# Altium PCB Supply_modulev2.0_pad_change.PcbDoc (part 1 of 2) (continued)
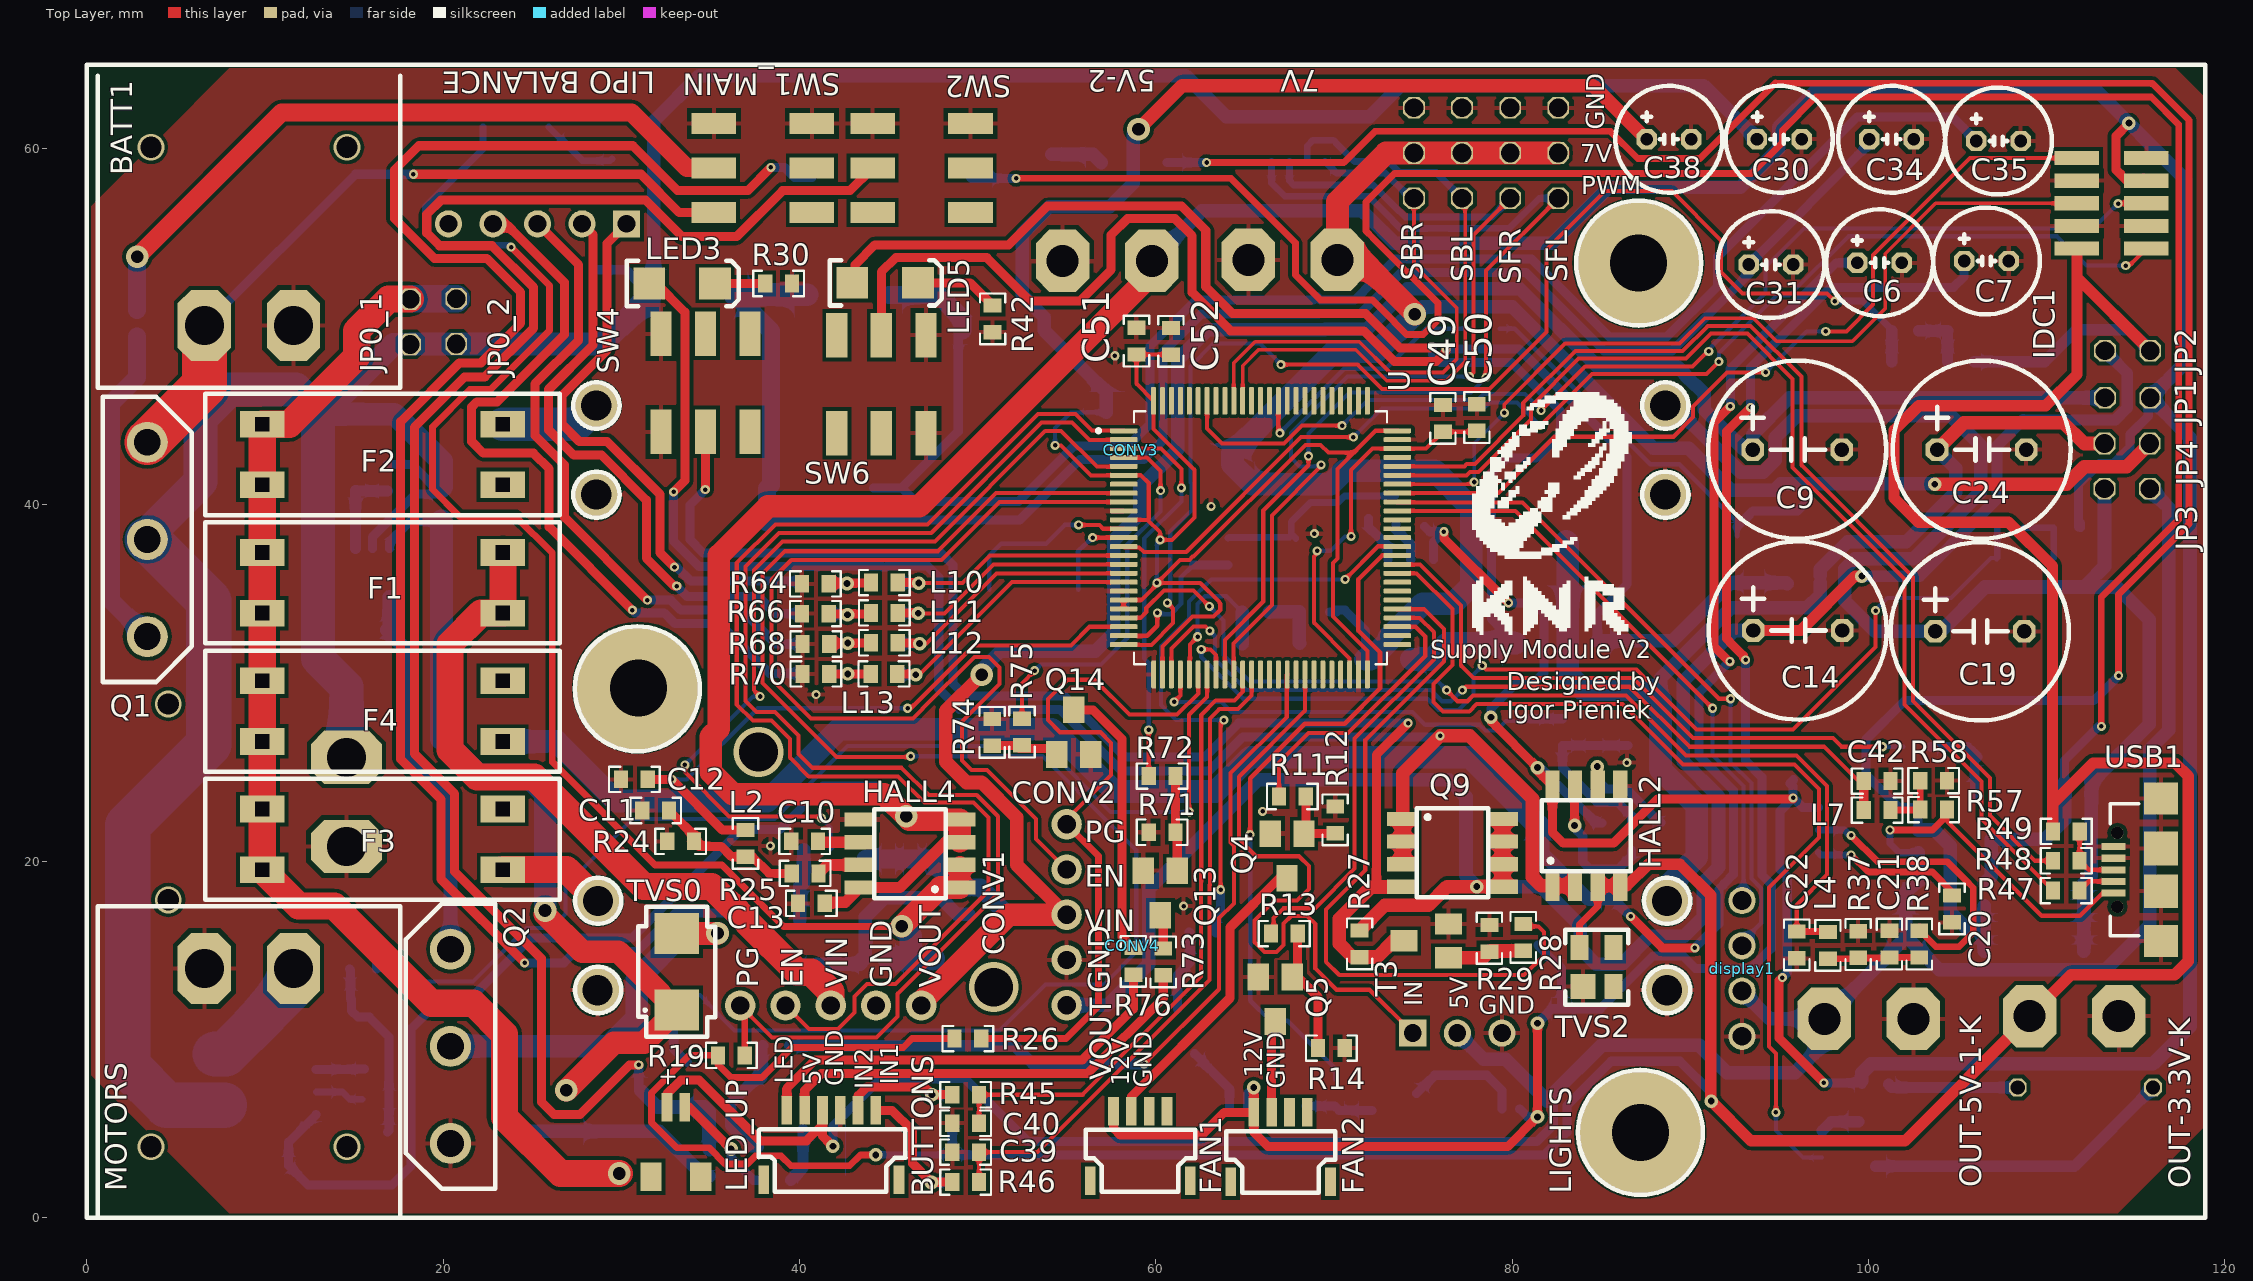
[diagram p0: Top Layer view]
## Components (designator, comment, footprint, x,y, rotation, side; value= is the part's Value field where it differs from the comment) (continued)

## Footprints (in the part's own frame and the unit in brackets; to place one, negate y for a bottom-side part, rotate by r counter-clockwise, add the part's x,y. Pads: shape width x height; smd on the part's side, far side on the other; paste and mask are expansions set on the pad)
2-pin-zielony-prosty [mm]
  oct 3x3.5 hole 1.8: 1(0,0) 2(5,0)
  body extent -2.67,-9.94 7.49,2.06, height 9.37
2.5mm [mil]
  oct 45x45 hole 28: 1(0,0) 2(98.43,0)
  silkscreen extent -69,-118 167,118, body extent -49,-98 148,98, height 433
5mm [mil]
  oct 50x50 hole 32: 1(0,0) 2(196.85,0)
  silkscreen extent -98,-197 295,197, body extent -98,-197 295,197, height 787
0603#1 [mm]
  rect 0.8x1 smd: 1(0,0) 2(1.5,0)
  silkscreen extent -0.68,-0.71 2.18,0.71, body extent -0.01,-0.43 1.59,0.43, height 0.83
0603#2 [mm]
  rect 1.27x1.143 smd: 1(0,0) 2(2.032,0)
  silkscreen extent -1.02,-0.89 3.05,0.89, body extent 0.22,-0.43 1.82,0.43, height 0.83
1206 [mil]
  rect 70x70 smd: 1(0,0) 2(145,0)
  silkscreen extent -50,-50 198,50, body extent 12,-30 138,33, height 43
"3557-2 KEYSTONE" [mm] "automotive fuse holder"
  rect 2.5x1.5 hole 0.8 square: 1(0,0) 1(0,3.4) 2(13.5,0) 2(13.5,3.4)
  silkscreen extent -3.2,-1.7 16.7,5.1, body extent -3.13,-1.58 16.68,5.15, height 7.94
629105136821 [mm] "Micro USB 2.0 SMT Type B Horizontal 5 Contacts"
  rect 0.4x1.35 smd: 1(-1.3,2.675) 2(-0.65,2.675) 3(0,2.675) 4(0.65,2.675) 5(1.3,2.675)
  round 0.7 hole 0.7 unplated: MH1(-2.075,2.45) MH2(2.075,2.45)
  rect 1.8x1.9 smd: Shell(-4,0) Shell(4,0)
  rect 1.9x1.9 smd: Shell(-1.2,0) Shell(1.2,0)
  silkscreen extent -3.7,1.25 3.7,2.85, body extent -4,-2.73 4,3.17, height 2.69
Buzzer_LOUDITY [mm]
  oct 1x1 hole 0.8: 1(-7.6,0) 2(0,0)
  silkscreen extent -9.8,-6 2.2,6, body extent -9.8,-6 5.65,6, height 9.65
CSTCC8M00G53-R0 [mm]
  rect 1.2x4.4 smd: 1(0,0) 2(2.5,0) 3(5,0)
  silkscreen extent -1.27,-2.54 6.35,2.67, body extent -1.06,-1.52 6.14,1.48, height 1.25
D24V10F3 [mm]
  round 1.7 hole 1.02: 1(0,0) 2(2.54,0) 3(5.08,0) 4(7.62,0) 5(10.16,0)
  body extent -1.3,-1.25 11.4,16.53, height 5.82
D24V22F5 [mm]
  round 1.7 hole 1.02: 1(0,0) 2(2.54,0) 3(5.08,0) 4(7.62,0) 5(10.16,0)
  body extent -1.27,-1.22 16.52,16.56, height 9.12
IDC_10_1.27 [mm]
  rect 0.8x2.5 smd: 1(0,0) 2(1.27,0) 3(2.54,0) 4(3.81,0) 5(5.08,0) 6(0,3.9) 7(1.27,3.9) 8(2.54,3.9) 9(3.81,3.9) 10(5.08,3.9)
  body extent -3.85,-0.84 8.75,4.84, height 5.65
"JST SR SH 1.0" [mm]
  rect 0.6x1.6 smd: 1(1.3,3.9) 2(2.3,3.9) 3(3.3,3.9) 4(4.3,3.9) 5(5.3,3.9) 6(6.3,3.9) 7(7.6,0) 8(0,0)
  silkscreen extent -0.28,-0.66 7.98,2.84, body extent -0.16,-0.66 7.84,4.29, height 2.9
"JST SR SH 1.0 - 2pin" [mm]
  rect 1.2x1.6 smd: 0(0,0) 0(2.8,0)
  rect 0.6x1.6 smd: 1(0.9,3.9) 2(1.9,3.9)
  body extent -0.59,-0.87 3.4,4.12, height 3
"JST SR SH 1.0 - 4PIN" [mm]
  rect 0.6x1.6 smd: 1(1.3,3.9) 2(2.3,3.9) 3(3.3,3.9) 4(4.3,3.9) 7(5.6,0) 8(0,0)
  silkscreen extent -0.25,-0.61 5.88,2.85, body extent -0.22,-0.75 5.77,4.2, height 2.96
"JST XH 3" [mil]
  rect 60x60 hole 39.37: 1(0,0)
  round 60 hole 39.37: 2(98.43,0) 3(196.85,0)
  body extent -95,-363 294,90, height 240
"JST XH 5" [mil]
  rect 60x60 hole 39.37: 1(0,0)
  round 60 hole 39.37: 2(98.43,0) 3(196.85,0) 4(295.28,0) 5(393.7,0)
  body extent -99,-289 491,11, height 238
QFP50P1600X1600X160-100N [mm]
  rrect50% 1.56x0.28 smd: 1(-7.68,6) 2(-7.68,5.5) 3(-7.68,5) 4(-7.68,4.5) 5(-7.68,4) 6(-7.68,3.5) 7(-7.68,3) 8(-7.68,2.5) 9(-7.68,2) 10(-7.68,1.5) 11(-7.68,1) 12(-7.68,0.5) 13(-7.68,0) 14(-7.68,-0.5) 15(-7.68,-1) 16(-7.68,-1.5) 17(-7.68,-2) 18(-7.68,-2.5) 19(-7.68,-3) 20(-7.68,-3.5) 21(-7.68,-4) 22(-7.68,-4.5) 23(-7.68,-5) 24(-7.68,-5.5) 25(-7.68,-6) 51(7.68,-6) 52(7.68,-5.5) 53(7.68,-5) 54(7.68,-4.5) 55(7.68,-4) 56(7.68,-3.5) 57(7.68,-3) 58(7.68,-2.5) 59(7.68,-2) 60(7.68,-1.5) 61(7.68,-1) 62(7.68,-0.5) 63(7.68,0) 64(7.68,0.5) 65(7.68,1) 66(7.68,1.5) 67(7.68,2) 68(7.68,2.5) 69(7.68,3) 70(7.68,3.5) 71(7.68,4) 72(7.68,4.5) 73(7.68,5) 74(7.68,5.5) 75(7.68,6)
  rrect50% 0.28x1.56 smd: 26(-6,-7.68) 27(-5.5,-7.68) 28(-5,-7.68) 29(-4.5,-7.68) 30(-4,-7.68) 31(-3.5,-7.68) 32(-3,-7.68) 33(-2.5,-7.68) 34(-2,-7.68) 35(-1.5,-7.68) 36(-1,-7.68) 37(-0.5,-7.68) 38(0,-7.68) 39(0.5,-7.68) 40(1,-7.68) 41(1.5,-7.68) 42(2,-7.68) 43(2.5,-7.68) 44(3,-7.68) 45(3.5,-7.68) 46(4,-7.68) 47(4.5,-7.68) 48(5,-7.68) 49(5.5,-7.68) 50(6,-7.68) 76(6,7.68) 77(5.5,7.68) 78(5,7.68) 79(4.5,7.68) 80(4,7.68) 81(3.5,7.68) 82(3,7.68) 83(2.5,7.68) 84(2,7.68) 85(1.5,7.68) 86(1,7.68) 87(0.5,7.68) 88(0,7.68) 89(-0.5,7.68) 90(-1,7.68) 91(-1.5,7.68) 92(-2,7.68) 93(-2.5,7.68) 94(-3,7.68) 95(-3.5,7.68) 96(-4,7.68) 97(-4.5,7.68) 98(-5,7.68) 99(-5.5,7.68) 100(-6,7.68)
  silkscreen extent -9.19,-7.1 7.1,7.1
R0603 [mm]
  rect 0.8x1 smd: 1(0,0) 2(1.5,0)
  silkscreen extent -0.68,-0.71 2.17,0.71, body extent -0.04,-0.43 1.56,0.43, height 0.48
Raster_2.54_2pin [mm]
  oct 1.22x1.22 hole 1.05: 1(0,0) 2(2.54,0)
  body extent -1.3,-1.27 3.78,1.27, height 8.54
Raster_2.54_3pin [mm]
  oct 1.22x1.22 hole 1.05: 1(0,0) 2(2.54,0) 3(5.08,0)
  body extent -1.27,-1.27 6.35,1.27, height 8.57
Slide_Switch [mm] "Ningi"
  rect 1.2x2.5 smd: 1(2.5,5.5) 1(2.5,0) 2(5,5.5) 2(5,0) 3(0,5.5) 3(0,0)
  body extent -2.05,-0.75 7,6.15, height 5.45
SO8#1 [mm]
  rect 0.8x1.75 smd: 1(0,0) 1(1.27,0) 2(2.54,0) 2(3.81,0) 3(0,5.6) 4(1.27,5.6) 5(2.54,5.6) 6(3.81,5.6)
  silkscreen extent -0.6,0.8 4.4,4.8, body extent -0.5,-0.09 4.4,5.69, height 1.45
SO8#2 [mm]
  rect 0.8x1.75 smd: 1(3.81,0) 2(0,5.6) 2(1.27,5.6) 2(2.54,5.6) 2(3.81,5.6) 3(0,0) 3(1.27,0) 3(2.54,0)
  silkscreen extent -0.6,0.8 4.4,4.8, body extent -0.5,-0.09 4.4,5.69, height 1.45
SOT23 [mm]
  rect 1.2x1.5 smd: 1(0,0) 2(1.9,0) 3(0.95,2.5)
  body extent -0.48,0.02 2.52,2.52, height 1.06
SOT25 [mm] "AP331A"
  rect 0.6x1.05 smd: 1(0,0) 2(0.95,0) 3(1.9,0) 4(1.9,2.7) 5(0,2.7)
  silkscreen extent -0.89,0.38 2.79,2.29, body extent -0.53,0.2 2.47,2.6, height 1.1
SOT223 [mm] "MIC5209-3.6YS"
  rect 1.1x1.6 smd: 1(0,0) 2(2.3,0) 3(4.6,0)
  rect 4x1.6 smd: 2(2.3,6.5)
  body extent -0.95,-0.23 5.55,6.73, height 1.7
SSD1306 [mil]
  round 60 hole 41.34: 1(0,0) 2(100,0) 3(200,0) 4(300,0)
  body extent -376,-1006 675,91, height 424
"TO252 (DPAK)" [mm]
  rect 1.5x2.8 smd: 1(0,0) 3(4.572,0)
  rect 6.3x6.1 smd: 2(2.286,6.27)
  body extent -0.94,-0.72 5.6,9.22, height 2.41
"TO263 (D2PAK)" [mm]
  rect 1.6x3.5 smd: 1(0,0) 3(5.08,0)
  rect 12.2x9.75 smd: 2(2.54,10.275)
  body extent -2.5,-0.77 7.5,14.9, height 4.83
TO-247-3 [mm]
  round 2.3 hole 1.5: 1(-5.45,0) 2(5.45,0) 3(0,0)
  silkscreen extent -8,-2.5 8,2.5, body extent -8.13,-3.1 8.13,2.2, height 29.16
"TVS 3.3V 82401" [mm]
  rect 1.4x1.4 smd: 1(0,0)
  rect 1x1.4 smd: 2(1.7,0) 3(1.7,2.2) 4(-0.2,2.2)
  silkscreen extent -1.02,-1.02 2.54,3.2, body extent -0.7,-0.11 2.22,2.29, height 1.06
"TVS DO-214AA" [mm]
  rect 2.3x2.5 smd: 1(0,0) 2(4.3,0)
  silkscreen extent -1.5,-2.16 5.8,2.16, body extent -0.46,-1.95 5.04,1.95, height 2.45
XL4015#1 [mm]
  round 2.5 hole 1.7: 0(0,0) 1(0,-5) 1(60,-5) 2(60,0)
  body extent -0.75,-15.66 60.95,10.54, height 21.57
XL4015#2 [mm]
  round 2.5 hole 1.7: 0(0,0) 1(-0.025,-5.004) 1(60,-5) 2(60,0)
  body extent -0.75,-15.66 60.95,10.54, height 21.57
XT30-katowy-in [mm]
  oct 3x4 hole 2.2: 1(-2.5,0) 2(2.5,0)
  silkscreen extent -8.5,-3.5 8.5,14, body extent -6.65,-0.81 6.65,13.14, height 5

## Part data
C1 C2 C4 C5 C8 C10 C11 C13 C15 C16 C18 C20 C21 C23 C25 C26 C28 C29 C32 C33 C36 C37 C39 C40 C49 C50 C51 C52: library part Cap
C6 C7 C9 C14 C19 C24 C30 C31 C34 C35 C38: library part Cap_pol
CONV3 CONV4: library part XL4015
HALL1 HALL2 HALL3 HALL4 HALL5: library part "Hall Sensor"
IC1 IC2 IC3: library part 7805T
IC4: library part "Switching regulator"
IDC1: library part IDC
LIGHTS: library part "3 PIN CONNECTOR"
Q1 Q2 Q4 Q5 Q6 Q7: library part N-MOSFET
R2 R3 R4 R5 R6 R7 R8 R9 R10 R11 R12 R13 R14 R15 R16 R17 R18 R19 R20 R21 R22 R24 R25 R26 R27 R28 R29 R31 R32 R33 R34 R35 R37 R38 R39 R40 R41 R43 R44 R45 R46 R47 R48 R49 R50 R51 R52 R53 R54 R55 R56 R57 R58 R59 R60 R61 R62 R63 R64 R65 R66 R67 R68 R69 R70: library part Res
T1 T2 T3 T4 T5 T6: library part "Transistor NPN"
U: "ARM® Cortex®-M7 STM32F7 Microcontroller IC 32-Bit 216MHz 512KB _512K x 8_ FLASH 100-LQFP _14x14_"
USB1: "Micro USB 2.0 Type B Receptacle WR-COM, Horizontal, SMT, with Pads and Pegs"

## Free pads (board coordinates)
  round 7 hole 3.2: 0(30.953,29.728) 1(87.091,53.577) 2(87.192,4.764)

## Via types
v1: diameter 0.508, hole 0.254, Top Layer to Bottom Layer, 98 vias
v2: diameter 0.762, hole 0.381, Top Layer to Bottom Layer, 25 vias
v3: diameter 1.27, hole 0.711, Top Layer to Bottom Layer, 6 vias
v4: diameter 1.5, hole 1.2, Top Layer to Bottom Layer, 6 vias
v5: diameter 1.27/1.27 (per signal layer), hole 0.711, Top Layer to Bottom Layer, 4 vias
v6: diameter 7, hole 3.2, Top Layer to Bottom Layer, 3 vias
v7: diameter 2.8, hole 2.18, Top Layer to Bottom Layer, 2 vias

## Nets (pads, with @x,y where several pads share a name; then routed paths per layer and width w, separated by ;. In a path a pad name is that pad's centre, name@x,y a point inside that pad or via, vN(x,y) a via of type N, cw(c..) or ccw(c..) an arc to the next point about the centre after c; other vN are vias at no path point)
+3.3V: HALL2.2 IDC1.5 JP2.2 OUT-3.3V-K.1 R19.1 R26.1 R49.1 R55.2 R77.2 R78.2 TVS2.4 | length 228.9
  Top Layer w0.381: v2(44.287,3.516) 43.426,3.516 42.815,2.905 39.525,2.905 38.967,3.464 37.532,3.464 37.074,3.007 35.831,3.007 34.916,3.921 33.11,3.921 31.69,5.342 31.69,6.984 33.809,9.103 R19.1@35.423,9.103 35.423,8.595 36.16,7.858 37.887,7.858 39.577,9.549 45.826,9.549 46.32,10.043 R26.1@48.708,10.043 ; TVS2.4@83.788,15.164 83.788,16.447 84.801,17.46 HALL2.2@84.801,18.628
  Top Layer w0.635: HALL2.2@84.801,18.628 HALL2.2@86.071,18.628 86.452,18.628 87.646,19.822 89.424,19.822 91.151,18.095 v2@91.151,6.538 ; v2(91.176,6.538) 93.412,4.302 102.052,4.302 OUT-3.3V-K.1@109.05,11.3 111.374,13.624 117.189,13.624 117.948,14.383 117.948,24.775 117.211,25.511 112.614,25.511 110.353,23.251 R49.1@110.353,21.676 ; R49.1@110.328,21.701 110.328,36.56 107.864,39.024 102.81,39.024 101.438,40.396 101.438,44.181 102.821,45.565 109.947,45.565 111.703,47.321 IDC1.5@111.703,54.387 ; 111.703,52.762 JP2.2@115.814,48.651
  Bottom Layer w0.381: v2(44.287,3.516) R77.2@48.579,3.516
  Bottom Layer w0.508: R78.2@48.579,5.393 R77.2@48.579,3.516 81.805,3.516 83.074,4.785 83.074,6.282 85.565,8.773 89.421,8.773 91.176,7.017 v2(91.176,6.538)
  Bottom Layer w0.635: R55.2@105.935,48.041 109.896,48.041 111.687,49.832 114.633,49.832 JP2.2@115.814,48.651
+5V/1: BUTTONS.3 display1.2 HALL3.2 JP3.2 LED_UP.1 LIGHTS.2 OUT-5V-1-K.1 R57.2 TVS3.1 USB1.1 | length 162.2
  Top Layer w0.254: R57.2@104.357,22.821 R57.2@104.361,22.817 ; R57.2@104.411,22.867 104.411,22.233 109.718,16.926 111.868,16.926 113.159,18.217 USB1.1@113.749,18.217
  Top Layer w0.381: v1(101.209,21.752) 103.597,21.752 104.361,22.517 R57.2@104.361,22.817 ; R57.2@104.411,22.867 R57.2@104.411,22.895
  Top Layer w0.508: LED_UP.1@32.564,6.196 32.564,6.942 33.353,7.731 34.357,7.731 37.786,4.302 40.392,4.302 41.243,5.154 ; BUTTONS.3@41.289,6.018 41.289,4.584 v2(41.875,3.998)
  Bottom Layer w0.381: v1(101.209,21.752) 101.209,20.99 101.717,20.482 HALL3.2@102.784,20.482
  Bottom Layer w0.508: v2(41.875,3.998) 41.875,5.125 44.533,7.782 47.806,7.782 47.828,7.76 47.869,7.801 49.29,7.801 52.812,4.278 81.399,4.278 82.312,5.191 82.312,6.726 82.286,6.752
  Bottom Layer w0.762: LIGHTS.2@76.925,10.35 78.401,8.874 79.645,8.874 81.982,6.538 82.159,6.538 ; 82.286,6.931 85.017,9.662 90.516,9.662 92.04,8.138 95.875,8.138 97.525,9.787 OUT-5V-1-K.1@97.525,11.15 ; display1.2@92.904,12.71 94.463,11.15 OUT-5V-1-K.1@97.525,11.15 ; TVS3.1@102.391,16.075 102.098,16.367 102.098,18.272 HALL3.2@102.886,19.06 ; HALL3.2@102.784,19.212 HALL3.2@102.784,20.482 ; JP3.2@115.789,40.904 116.856,39.837 116.856,27.35 115.789,26.283 115.789,16.393 113.306,13.91 103.972,13.91 TVS3.1@102.098,15.783 102.098,15.723 OUT-5V-1-K.1@97.525,11.15
+5V/2: 5V-2.1 C4.1 C13.1 C18.1 C23.1 C28.1 HALL1.3 HALL2.3 HALL3.3 HALL4.2 HALL4.3 HALL5.3 IDC1.7 JP1.2 R51.1 R59.2 TVS1.1 | length 341.9
  Top Layer w0: 114.163,58.354 114.163,58.559
  Top Layer w0.508: v1(76.165,38.491) 76.165,38.135 v1(79.797,34.503) ; v2(78.807,28.077) 78.807,28.026 78.934,27.899 78.857,27.823 v2(81.423,25.257) 81.423,25.066 HALL2.3@82.261,24.228 82.261,21.625 82.871,21.016 85.69,21.016 88.174,23.499 95.774,23.499 v1(95.774,23.556) ; v1(95.164,13.472) 94.986,13.294 94.986,10.068 v1(97.501,7.554) ; 114.143,58.559 114.163,58.559 ; v2(114.621,61.427) 113.896,60.702 113.896,58.806 114.505,58.197 IDC1.7@115.603,58.197 IDC1.7@115.446,58.354
  Top Layer w0.635: C13.1@41.418,17.637 41.85,17.637 41.9,17.688 42.563,17.688 HALL4.3@43.4,18.525 45.647,18.525 48.187,21.065 HALL4.2@49,21.065
  Top Layer w1.27: HALL4.2@49,21.122 HALL4.2@49,22.335 46.169,22.335 44.745,23.759 36.262,23.759 35.017,25.003 35.017,26.985 35.474,27.442 35.474,37.157 38.231,39.913 46.726,39.913 59.775,52.962 5V-2.1@59.775,53.7
  Bottom Layer w0.508: HALL1.3@12.875,5.775 11.325,4.225 C4.1@11.325,2.925 12.411,1.839 17.135,1.839 18.202,2.905 18.202,10.602 19.548,11.948 21.195,11.948 24.929,15.682 30.597,15.682 36.693,21.778 38.889,21.778 41.327,24.216 44.294,24.216 v5(45.993,22.517) ; C28.1@75.073,38.796 75.378,38.491 v1(76.165,38.491) 75.581,37.907 HALL5.3@75.581,36.928 ; v2(78.807,28.077) 78.807,28.559 80.153,29.906 81.118,29.906 81.778,30.566 81.778,33.919 81.194,34.503 v1(79.797,34.503) ; v2(81.423,25.257) 81.601,25.257 84.722,22.136 C18.1@85.05,22.136 ; v1(95.164,13.472) 95.444,13.751 95.444,19.136 95.037,19.542 95.037,22.819 v1(95.774,23.556) ; C23.1@95.799,24.572 95.596,24.368 95.774,24.191 v1(95.774,23.556) ; HALL3.3@97.184,23.022 96.307,23.022 v1(95.774,23.556) ; v1(97.501,7.554) 99.508,7.554 99.533,7.579 R51.1@99.635,7.477 R51.1@99.635,7.681 ; R59.2@111.801,38.77 111.801,41.158 112.969,42.326 113.764,42.326 114.671,43.232 114.671,43.951 115.704,44.984 115.704,45.899 JP1.2@115.814,46.009 ; R59.2@111.903,38.719 R59.2@111.903,38.975
  Bottom Layer w0.762: 5V-2.1@59.775,53.7 62.574,56.499 71.593,56.499 71.974,56.118 71.974,56.114 73.395,54.693 75.583,54.693 75.586,54.696 76.093,54.696 76.095,54.693 78.283,54.693 78.286,54.696 81.448,54.696 81.451,54.693 82.284,54.693 85.411,57.82 92.799,57.82 94.954,59.975 94.954,61.191 97.12,63.357 ; 97.12,63.408 112.639,63.408 117.821,58.227 117.821,48.016 JP1.2@115.814,46.009 118.05,43.774 118.05,10.703 115.967,8.62 100.143,8.62 99.635,8.112 R51.1@99.635,7.681
+7V: 7V.1 HALL5.2 JP4.2 R61.2 SBL.2 SBR.2 SFL.2 SFR.2 TVS4.1 | length 113.8
  Top Layer w0.762: v2(103.724,41.158) 111.131,41.158 112.122,42.149 114.494,42.149 JP4.2@115.789,43.444
  Top Layer w1.27: SBR.2@74.314,59.751 72.923,59.751 70.196,57.024 7V.1@70.196,53.756 71.517,53.756 74.539,50.734 v3(74.539,50.708) ; SBR.2@74.489,59.748 SBL.2@77.189,59.748 SFR.2@79.889,59.748 SFL.2@82.589,59.748
  Bottom Layer w0.508: R61.2@69.764,33.995 70.145,33.995 ; 70.155,34.09 70.609,34.09 71.771,32.928 HALL5.2@71.771,31.912
  Bottom Layer w0.762: v3(74.539,50.708) 74.946,51.115 80,51.115 87.925,43.19 89.905,43.19 92.28,40.814 94.719,40.814 95.08,41.175 103.707,41.175 v2(103.724,41.158)
  Bottom Layer w1.27: HALL5.2@71.771,31.328 72.05,31.328 73.073,32.35 73.073,32.55 74.975,34.452 76.679,34.452 77.714,35.488 77.714,39.862 77.435,40.142 77.393,40.142 76.724,40.811 76.724,40.853 75.657,41.92 70.568,41.92 69.806,41.158 65.421,41.158 TVS4.1@64.303,42.275 64.303,42.906 69.975,48.577 70.135,48.577 70.171,48.613 72.402,48.613 73.507,49.718 73.549,49.718 v3(74.539,50.708)
+12V: C7.1 C8.1 FAN1.1 FAN2.1 FAN3.1 FAN4.1 IC1.3 | length 105.7
  Top Layer w0.508: FAN1.1@57.628,5.967 57.628,5.009 58.004,4.633 62.576,4.633 63.844,5.9 FAN2.1@65.502,5.9 ; v2(65.497,7.3) 65.497,5.905 FAN2.1@65.502,5.9 ; v2(81.423,10.906) v2(81.423,5.649) 79.751,3.976 66.31,3.976 65.502,4.784 FAN2.1@65.502,5.9 ; v1(93.107,31.303) 92.98,31.43 92.98,31.538 92.191,32.326 92.191,32.343 92.04,32.495 92.04,44.13 v1(93.386,45.476)
  Bottom Layer w0.508: FAN4.1@65.137,5.967 65.137,6.939 v2(65.497,7.3) ; FAN3.1@80.428,6.094 80.873,5.649 v2(81.423,5.649) ; v2(81.423,10.906) 82.236,11.719 C8.1@82.769,11.719 ; IC1.3@81.45,15.295 82.769,13.976 C8.1@82.769,11.719 ; v1(93.107,31.303) 93.107,25.638 94.021,24.724 94.021,19.238 94.555,18.704 94.555,15.105 93.43,13.98 90.287,13.98 89.576,14.691 87.925,14.691 84.953,11.719 C8.1@82.769,11.719 ; v1(93.386,45.476) 93.386,47.721 97.872,52.207 104.765,52.207 105.375,52.816 C7.1@105.375,53.689
GND: 5V-2.2 7V.2 "LIPO BALANCE.5" BATT1.2 BUTTONS.4 C1.1 C2.1 C3.1 C4.2 C5.2 C6.2 C7.2 C8.2 C9.2 C10.1 C11.1 C12.1 C13.2 C14.2 C15.1 C16.1 C17.1 C18.2 C19.2 C20.1 C21.1 C22.1 C23.2 C24.2 C25.1 C26.1 C27.1 C28.2 C29.2 C30.2 C31.2 C32.2 C33.1 C34.2 C35.2 C36.1 C37.2 C38.2 C39.2 C40.2 C41.2 C42.2 C43.2 C44.2 C45.2 C46.2 C47.2 C48.2 C49.2 C50.2 C51.2 C52.2 COM1.5 CONV1.4 CONV2.4 CONV3.1 CONV4.1 display1.1 HALL1.6 HALL2.6 HALL3.6 HALL4.6 HALL5.6 IC1.2 IC2.2 IC3.2 IC4.2 IDC1.2 IDC1.4 IDC1.6 IDC1.9 LIGHTS.3 MOTORS.2 NUC.2 Oscilator_1.2 OUT-3.3V-K.2 OUT-5V-1-K.2 Q2.2 Q4.2 Q5.2 Q6.2 Q7.2 Q12.2 Q13.2 Q14.2 R3.2 R6.1 R7.1 R10.2 R12.2 R14.2 R16.1 R18.2 R22.2 R23.1 R24.2 R29.2 R30.1 R31.2 R35.2 R36.1 R37.2 R41.2 R42.1 R43.2 R54.1 R56.1 R58.1 R60.1 R62.1 R64.1 R66.1 R68.1 R70.1 R71.2 R74.2 SBL.1 SBR.1 SFL.1 SFR.1 SW1_MAIN.3 SW2.3 SW3.3 SW4.3 SW5.3 SW6.3 T1.2 T2.2 T3.2 T4.2 T5.2 T6.2 TVS1.2 TVS2.1 TVS3.2 TVS4.2 TVS5.2 U.10 U.19 U.26 U.49 U.74 U.99 USB1.4 USB1.5 USB1.Shell
  other v1: 61.56,17.485 38.37,20.863 66,22.8 86.447,25.536 40.935,29.347 68.901,38.389 63.109,39.913 57.699,48.371
NetBUTTONS_1: BUTTONS.1 R76.2 | length 24.4
  Top Layer w0.508: BUTTONS.1@39.289,6.018 39.289,7.253 40.885,8.85 55.871,8.85 58.741,11.719 R76.2@58.741,13.623
NetBUTTONS_2: BUTTONS.2 R73.2 | length 24.7
  Top Layer w0.508: BUTTONS.2@40.289,6.018 40.289,7.134 41.243,8.088 56.187,8.088 60.417,12.318 R73.2@60.417,13.597
NetBUTTONS_5: BUTTONS.5 R45.2 R78.1 | length 7.6
  Top Layer w0.508: BUTTONS.5@43.289,6.018 43.289,6.836 43.778,7.326 47.005,7.326 v2(47.438,6.893) R45.2@48.579,6.893
  Bottom Layer w0.508: v2(47.438,6.893) R78.1@48.579,6.893
NetBUTTONS_6: BUTTONS.6 R46.2 R77.1 | length 8.2
  Top Layer w0.508: BUTTONS.6@44.289,6.018 45.189,6.018 46.346,4.861 46.346,3.032 47.387,1.991 R46.2@48.579,1.991
  Bottom Layer w0.508: v2(47.412,1.966) 48.528,1.966 R77.1@48.579,2.016
NetBuzzer_1_1: Buzzer_1.1 T6.3 | length 17.4
  Bottom Layer w0.635: T6.3@100.399,2.881 111.556,2.881 Buzzer_1.1@115.975,7.3
NetBuzzer_1_2: Buzzer_1.2 R51.2 | length 7.3
  Bottom Layer w0.635: R51.2@101.135,7.477 101.312,7.3 Buzzer_1.2@108.375,7.3
NetC1_2: C1.2 HALL1.5 | length 2.8
  Bottom Layer w0.508: HALL1.5@12.875,8.315 15.128,8.315 15.103,8.34 C1.2@15.586,8.34
NetC2_2: C2.2 L1.2 R2.2 R3.1 | length 10.5
  Bottom Layer w0.508: L1.2@14.746,13.954 14.797,13.904 C2.2@14.797,12.253 14.849,12.253 14.849,11.618 15.222,11.245 15.857,11.245 16.959,10.143 R2.2@16.959,6.639 16.959,4.888 R3.1@16.881,4.81
NetC3_2: C3.2 L1.1 U.32 | length 63.6
  Top Layer w0.229: v1(61.89,22.768) 61.873,22.786 61.873,28.221 62.878,29.227 U.32@62.878,30.481
  Bottom Layer w0.229: L1.1@16.246,13.954 17.567,13.954 18.278,13.243 21.682,13.243 24.692,16.253 26.09,16.253 26.864,17.027 26.864,18.603 30.635,22.374 38.606,22.374 42.695,26.464 53.775,26.464 57.471,22.768 v1(61.89,22.768)
  Bottom Layer w0.508: C3.2@16.222,15.58 16.246,15.556 L1.1@16.246,13.954
NetC5_1: C5.1 C6.1 F4.2 IC1.1 | length 123.5
  Top Layer w0.508: v1(86.655,16.901) 88.42,15.136 v1(90.262,15.136) ; v1(92.218,31.222) 92.218,31.175 91.329,32.064 91.329,44.612 v1(92.243,45.527)
  Bottom Layer w0.508: C5.1@85.588,17.891 85.665,17.891 v1(86.655,16.901) ; v1(90.262,15.136) 91.608,16.482 91.608,18.42 91.898,18.71 91.898,18.74 92.421,19.263 92.421,23.976 90.491,25.906 90.491,29.495 v1(92.218,31.222) ; v1(92.243,45.527) 92.269,45.552 92.269,47.468 92.243,47.493 92.243,47.635 98.198,53.589 C6.1@99.375,53.589 C6.1@98.858,53.589
  Bottom Layer w0.762: IC1.1@81.45,20.375 81.759,20.375 84.242,17.891 C5.1@85.588,17.891
  Bottom Layer w1.27: F4.2@23.35,26.725 26.361,26.725 29.708,23.378 38.19,23.378 42.229,27.416 54.169,27.416 57.675,23.911 63.366,23.911 65.295,25.84 77.614,25.84 81.45,22.004 IC1.1@81.45,20.375
NetC9_1: C9.1 CONV1.5 CONV2.3 JP1.1 Q8.2 R20.2 | length 125.3
  Top Layer w0.762: v5(50.232,30.464) 48.2,28.432 48.2,25.59 49.372,24.418 50.24,24.418 52.187,22.47 52.187,19.808 CONV2.3@55,16.995
  Top Layer w1.27: CONV1.5@46.835,11.9 46.835,12.097 51.733,16.995 CONV2.3@55,16.995
  Bottom Layer w0.762: v5(50.232,30.464) 50.232,30.744 51.273,31.785 56.607,31.785 57.648,32.827 57.648,38.03 59.102,39.483 59.102,40.985 61.242,43.126 61.242,48.155 62.906,49.819 69.492,49.819 69.52,49.847 71.84,49.847 74.124,52.131 80.421,52.131 84.79,47.762 89.271,47.762 89.729,47.305 89.729,47.267 90.249,46.746 90.287,46.746 90.777,46.256 90.777,45.342 93.019,43.1 C9.1@93.5,43.1 93.495,43.105 93.495,43.946 95.558,46.009 JP1.1@113.274,46.009
  Bottom Layer w1.016: Q8.2@43.715,20.125 Q8.2@44.985,20.125 Q8.2@46.255,20.125 Q8.2@47.525,20.125 49.125,18.525 R20.2@49.5,18.525 ; R20.2@49.825,18.526 50.156,18.526 51.687,16.995 CONV2.3@55,16.995
NetC10_2: C10.2 HALL4.5 | length 2.4
  Top Layer w0.635: C10.2@41.038,21.117 41.09,21.065 HALL4.5@43.4,21.065
NetC11_2: C11.2 L2.2 R24.1 R25.2 | length 8.5
  Top Layer w0.508: C11.2@32.682,22.844 34.077,21.449 R24.1@34.077,21.117 34.357,20.838 35.598,20.838 36.184,20.252 L2.2@36.973,20.252 37.355,20.252 38.294,19.314 R25.2@39.562,19.314
NetC12_2: C12.2 L2.1 U.23 | length 35.5
  Top Layer w0.229: v1(46.066,28.585) 46.251,28.585 49.781,32.115 55.235,32.115 56.281,33.161 U.23@58.198,33.161
  Top Layer w0.508: C12.2@31.488,24.597 v1(32.833,24.597) 35.677,21.752 L2.1@36.897,21.752
  Bottom Layer w0.229: v1(32.833,24.597) 33.671,24.597 37.659,28.585 v1(46.066,28.585)
NetC14_1: C14.1 CONV2.5 JP2.1 Q9.2 R27.2 | length 116.2
  Top Layer w0.635: C14.1@93.525,32.95 96.202,32.95 99.254,36.002 v2(99.635,36.002)
  Top Layer w0.762: R27.2@71.441,16.115 72.856,17.53 75.304,17.53 76.351,18.577 v2(78.019,18.577) 79.447,18.577 Q9.2@79.46,18.565 Q9.2@79.46,19.835 Q9.2@79.46,21.105 Q9.2@79.46,22.375
  Bottom Layer w0.635: v2(99.635,36.002) 102.886,36.002 106.307,39.423 106.307,39.435 106.612,39.74 106.624,39.74 107.216,40.332 107.216,43.317 108.69,44.79 108.715,44.764 113.858,44.764 113.858,44.78 114.519,45.441 114.519,47.406 JP2.1@113.274,48.651
  Bottom Layer w0.762: CONV2.5@55,11.915 57.285,11.915 59.6,14.229 59.6,18.42 65.749,24.57 76.446,24.57 77.41,23.606 77.41,19.187 v2(78.019,18.577) 81.616,18.577 83.835,16.358 83.835,15.098 84.725,14.208 86.14,14.208 87.715,15.783 89.652,15.783 90.719,16.85 90.719,18.788 91.583,19.651 91.583,23.629 89.602,25.61 89.602,30.096 92.456,32.95 C14.1@93.525,32.95
NetC15_2: C15.2 HALL2.5 | length 6.4
  Top Layer w0.508: v2(84.776,25.308) 84.776,24.253 HALL2.5@84.801,24.228
  Bottom Layer w0.508: v2(84.776,25.308) 84.776,24.572 85.284,24.064 86.391,24.064 88.294,22.161 C15.2@88.35,22.161
NetC16_2: C16.2 L3.2 R31.1 R32.2 | length 10.5
  Bottom Layer w0.508: R31.1@86.497,26.484 86.509,26.496 C16.2@84.603,26.496 L3.2@82.828,26.496 82.828,25.25 84.776,23.302 85.919,23.302 86.7,22.52 R32.2@86.7,22.136 R32.2@86.802,22.238
NetC17_2: C17.2 L3.1 U.29 | length 24.5
  Top Layer w0.229: v1(61.027,28.94) 61.382,29.296 61.382,30.476 U.29@61.378,30.481
  Bottom Layer w0.229: v1(61.027,28.94) 63.685,28.94 64.258,28.367 74.415,28.367 75.124,27.658 78.166,27.658 78.496,27.327 79.117,27.327 79.65,27.861 81.028,27.861 C17.2@81.028,27.996
  Bottom Layer w0.508: C17.2@81.028,27.996 L3.1@82.828,27.996
NetC19_1: C19.1 CONV3.2 JP3.1 Q10.2 R33.2 | length 82.6
  Bottom Layer w0.762: CONV3.2@88.535,45.654 88.992,45.654 92.816,41.83 94.081,41.83 94.77,42.519 94.77,43.784 95.979,44.993 104.638,44.993 106.315,43.317 106.315,40.758 102.524,36.967 99.235,36.967 98.669,36.401 98.669,34.613 100.382,32.9 C19.1@103.75,32.9 104.051,32.9 106.543,35.392 113.935,35.392 115.764,33.563 115.764,27.694 R33.2@112.514,24.445 112.514,19.176 Q10.2@112.093,18.755 Q10.2@112.093,17.485 Q10.2@112.093,16.215 Q10.2@112.093,14.945 ; 112.284,35.57 113.249,36.535 JP3.1@113.249,40.904 ; R33.2@112.475,24.457 113.376,25.358
NetC20_2: C20.2 HALL3.5 | length 8.6
  Top Layer w0.381: v1(99.025,20.355) 99.99,19.39 103.597,19.39 C20.2@104.816,18.171
  Bottom Layer w0.381: HALL3.5@97.184,20.482 97.311,20.355 v1(99.025,20.355)
NetC21_2: C21.2 L4.2 R37.1 R38.2 | length 5.2
  Top Layer w0.381: L4.2@97.725,14.525 99.375,14.525 R37.1@99.425,14.575 101.15,14.575 C21.2@101.175,14.6 R38.2@102.85,14.6
NetC22_2: C22.2 L4.1 U.22 | length 56.8
  Top Layer w0.229: U.22@58.198,33.661 59.143,33.661 59.464,33.982 59.464,34.202 60.451,35.189 62.119,35.189 v1(63.008,34.3) ; v1(76.317,29.601) 76.94,28.978 77.484,28.978 77.814,29.309 86.392,29.309 89.757,25.943 95.952,25.943 97.679,24.216 97.679,19.241 95.975,17.537 C22.2@95.975,16.05
  Top Layer w0.381: C22.2@95.975,16.05 97.7,16.05 L4.1@97.725,16.025
  Bottom Layer w0.229: v1(63.008,34.3) 63.808,33.5 63.808,31.563 65.286,30.085 75.833,30.085 v1(76.317,29.601)
NetC24_1: C24.1 CONV4.2 JP4.1 Q11.2 R39.2 | length 62
  Top Layer w0.762: C24.1@103.85,43.1 105.362,44.612 110.938,44.612 112.106,43.444 JP4.1@113.249,43.444
  Bottom Layer w0.762: 88.332,29.017 88.332,30.263 92.289,34.22 96.558,34.22 97.299,34.962 R39.2@97.299,35.621 ; R39.2@97.298,36.034 97.298,36.395 98.835,37.932 102.124,37.932 104.892,40.701 104.892,42.058 C24.1@103.85,43.1
  Bottom Layer w1.27: Q11.2@83.048,37.954 83.125,37.877 83.125,30.515 83.137,30.503 83.137,30.474 83.985,29.626 87.722,29.626 88.332,29.017 88.332,25.156 90.364,23.124 90.364,20.228 88.662,18.526 CONV4.2@88.662,17.79
NetC25_2: C25.2 HALL5.5 | length 2.8
  Bottom Layer w0.508: C25.2@71.95,39.227 71.95,38.742 73.041,37.651 HALL5.5@73.041,36.928
NetC26_2: C26.2 L5.2 R43.1 R44.2 | length 11.5
  Bottom Layer w0.254: 72.954,40.499 R44.2@73.473,40.499
  Bottom Layer w0.381: L5.2@64.049,38.137 64.076,38.164 C26.2@65.823,38.164 65.845,38.186 R43.1@67.504,38.186 ; R43.1@67.859,38.11 67.605,38.364 67.605,39.058 68.676,40.129 70.232,40.129 70.602,40.499 R44.2@73.473,40.499
NetC27_2: C27.2 L5.1 U.24 | length 8.8
  Top Layer w0.254: U.24@58.198,32.649 59.528,32.649 60.087,33.208 v1(60.087,33.944)
  Bottom Layer w0.254: v1(60.087,33.944) 60.163,33.868 60.83,33.868 60.881,33.919 60.888,33.919 61.414,34.445 61.414,35.932 C27.2@62.068,36.586
  Bottom Layer w0.508: C27.2@62.119,36.635 62.12,36.637 L5.1@64.049,36.637
NetC31_1: C31.1 C32.1 C33.2 C34.1 IC2.3 IC3.1 | length 95
  Bottom Layer w0.508: C33.2@38.294,38.897 38.548,39.151 52.353,39.151 55.756,42.554 59.324,42.554 60.404,43.634 60.404,48.575 62.538,50.708 69.124,50.708 69.152,50.736 71.472,50.736 73.778,53.042 78.967,53.042 78.97,53.045 80.764,53.045 85.158,48.651 88.977,48.651 C31.1@93.3,52.973 ; C31.1@93.275,53.489 100.047,60.262 C34.1@100.047,60.524
  Bottom Layer w1.016: IC2.3@36.363,51.8 38.395,49.768 38.395,41.132 C32.1@38.167,40.904 C33.2@38.167,39.024 ; IC3.1@40.427,51.8 IC3.1@40.453,51.775
  Bottom Layer w1.27: IC2.3@36.363,51.8 IC3.1@40.427,51.8
NetC35_1: C35.1 C36.2 C37.1 IC3.3 IC4.1 | length 94.7
  Bottom Layer w0.508: C36.2@44.161,40.955 45.736,40.955 ; IC4.1@49.139,49.794 48.911,49.565 48.911,44.13 45.736,40.955 ; C35.1@106.047,60.424 104.689,61.783 99.381,61.783 91.532,53.934 91.532,52.283 88.662,49.413 85.474,49.413 81.08,53.807 78.654,53.807 78.652,53.804 73.463,53.804 72.297,52.639 72.204,52.639 72.204,52.546 71.156,51.498 69.236,51.498 69.036,51.698 68.836,51.498 62.25,51.498 59.68,48.928 59.68,44.542 58.455,43.316 55.424,43.316 52.3,40.193 46.498,40.193 45.736,40.955
  Bottom Layer w1.016: IC3.3@45.025,51.775 47.819,51.775 49.139,50.454 IC4.1@49.139,49.794